# Allegro board trx_layout.brd (continued)
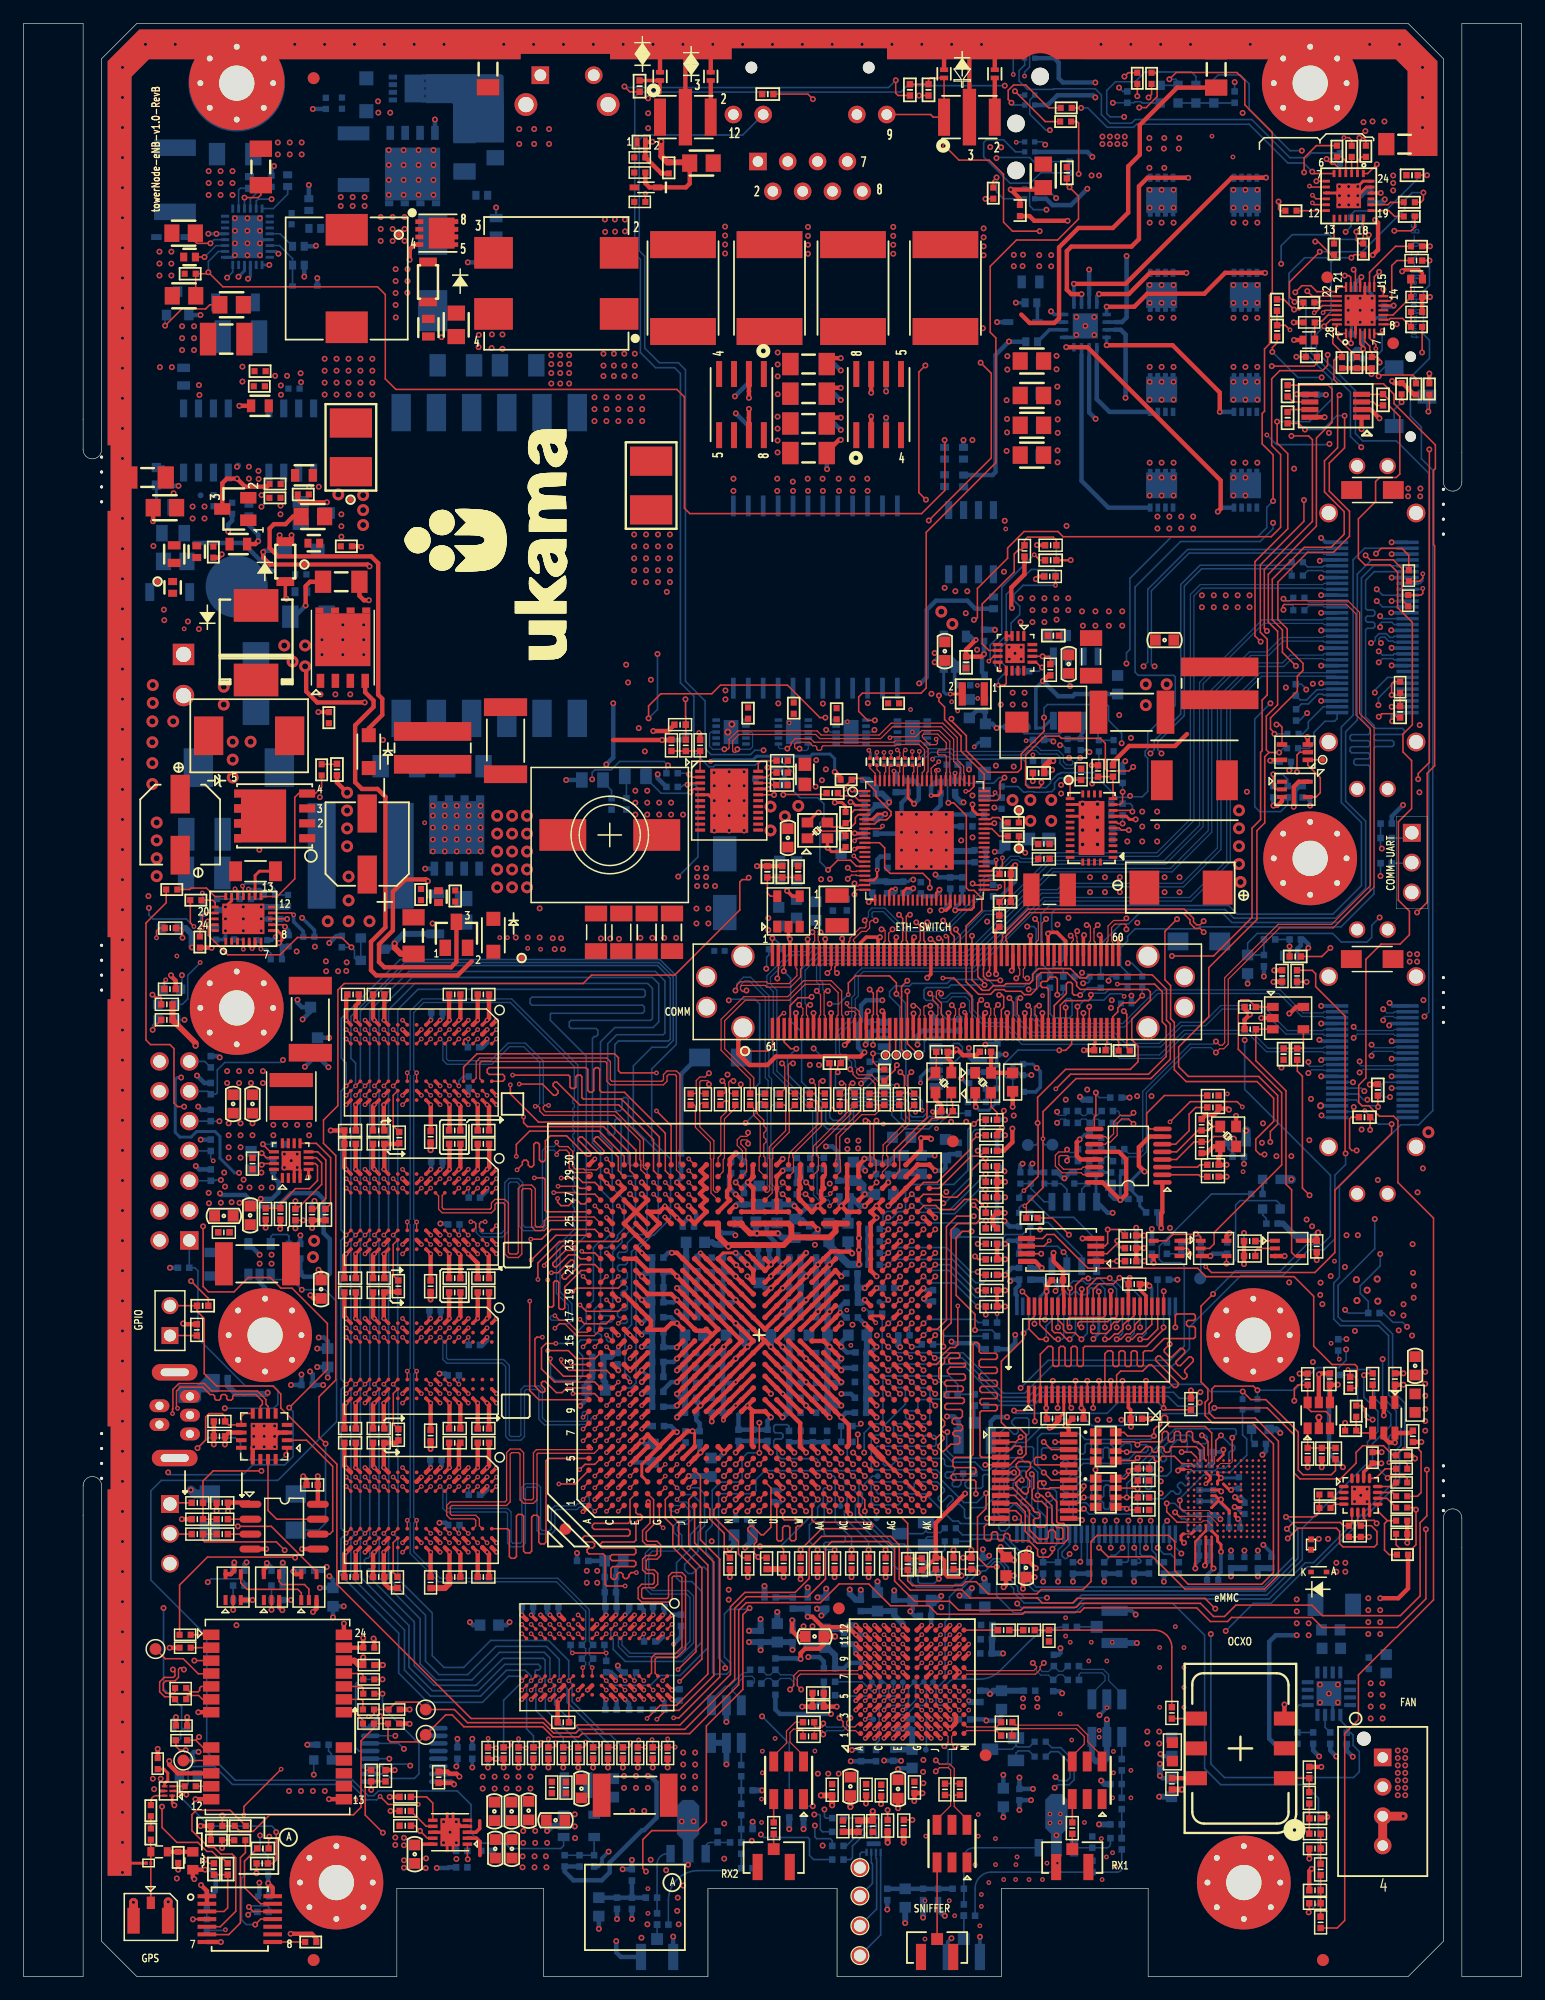
[diagram p0: board, top side]
## Routing (per net, layer and track width the routed paths; a pad name or vN(x,y) marks a point on that pad's centre or on a via; arc(x,y) is an arc through that point) (continued)
  BOTTOM w0.132: v1(115.45,112.83) 115.76,112.52 116.67,112.52 116.76,112.61 J13.20
USB_5V: length 10.8
  TOP w0.381: U26.10 17.5,46.32 C123.2 17.17,45.32 v1(17.16,45.3) ; U31.8 C129.2 v1(25.07,42.6)
  BOTTOM w0.381: v1(23.68,51.26) R411.1 v1(22.79,50.37)
  BOTTOM w0.508: R409.1 17.4,50.31 18.1,49.61 20.7,49.61 v1(20.8,49.71)
USB_DN0: length 61.8
  TOP w0.132: v1(76.99,89.76) 76.83,89.76 76.7,89.63 76.7,88.21 76.8,88.12 J4.27
  L6-SIGNAL w0.117: v1(114.79,113.54) 115.04,113.54 115.15,113.66 115.15,114.04 114.87,114.33 113.23,114.33 112.54,114.33 111.72,114.33 111.27,113.88 111.1,113.71 106.84,113.71 106.02,112.89 95.06,112.89 94.4,112.23 93.6,112.23 90.33,108.96 90.33,108.67 86.06,104.41 85.08,104.41 83.71,103.04 83.71,102.9 82.21,101.41 82.21,101.1 82.21,98.99 80.39,97.17 79.69,97.17 79.17,96.65 77.41,96.65 76.83,96.07 76.83,94.23 76.69,94.08 76.69,90.04 76.78,89.95 76.78,89.94 76.95,89.76 v1(76.99,89.76)
  BOTTOM w0.132: v1(114.79,113.54) 114.93,113.54 115.16,113.76 115.16,114.03 115.47,114.34 116.09,114.34 116.41,114.02 116.67,114.02 116.76,114.11 J13.17
USB_DN2: length 70.8
  TOP w0.132: v1(100.53,88.93) 100.22,89.24 99.78,89.24 99.71,89.31 99.71,89.33 99.36,89.68 99.36,89.97 98.75,90.58 85.71,90.58 83.69,88.57 83.69,88.21 83.79,88.12 J4.41
  L6-SIGNAL w0.117: v1(96.94,104.14) 96.62,103.82 96.62,102.56 95.97,101.91 93.97,101.91 93.09,101.02 93.09,95.33 95.3,93.12 100.3,93.12 101.55,91.87 101.55,89.54 101.25,89.24 100.85,89.24 v1(100.53,88.93)
  BOTTOM w0.132: R3.1 108.03,119.73 107.9,119.86 100.36,119.86 98.89,118.39 98.89,107.36 96.62,105.1 96.62,104.46 v1(96.94,104.14)
USB_DP0: length 61.8
  TOP w0.132: v1(76.05,89.76) 76.4,89.42 76.4,88.21 76.3,88.12 J4.26
  L6-SIGNAL w0.117: v1(76.05,89.76) 76.39,90.09 76.39,94.21 76.53,94.35 76.53,96.2 77.28,96.95 79.04,96.95 79.57,97.48 80.26,97.48 81.9,99.12 81.9,100.97 81.9,101.53 83.4,103.03 83.4,103.16 84.95,104.71 85.94,104.71 90.02,108.8 90.02,109.09 93.48,112.54 94.27,112.54 94.93,113.2 105.89,113.2 106.71,114.02 110.97,114.02 111.32,114.36 111.59,114.63 112.54,114.63 113.23,114.63 114.99,114.63 115.46,114.17 115.46,113.72 v1(115.64,113.54)
  BOTTOM w0.132: v1(115.64,113.54) 115.46,113.71 115.46,113.9 115.59,114.03 115.96,114.03 116.28,113.71 116.67,113.71 116.76,113.61 J13.18
USB_DP2: length 70.9
  TOP w0.132: J4.40 83.3,88.12 83.39,88.21 83.39,88.7 85.58,90.89 98.87,90.89 99.67,90.09 99.67,89.81 99.93,89.55 100.22,89.55 v1(100.53,89.86)
  L6-SIGNAL w0.117: v1(96,104.14) 96.32,103.82 96.32,102.69 95.84,102.21 93.85,102.21 92.79,101.15 92.79,95.2 95.17,92.81 100.18,92.81 101.24,91.75 101.24,89.66 101.13,89.55 100.85,89.55 v1(100.53,89.86)
  BOTTOM w0.132: R2.1 107.78,120.17 100.23,120.17 98.58,118.51 98.58,107.49 96.32,105.22 96.32,104.46 v1(96,104.14)
USB_RXD: length 11.7
  TOP w0.137: U31.6 26.09,37.67 26.34,37.92 26.34,43.43 24.11,45.67 U26.2
USB_TXD: length 8.9
  TOP w0.137: U26.15 20.83,39.68 21.57,38.94 U31.7
USB_XI: length 11.1
  TOP w0.137: C62.1 77.75,77.03 Y2.3 76.96,76.24 76.96,73.14 74.17,70.35 U1.AG30
USB_XO: length 9.9
  TOP w0.137: U1.AG29 74.64,68.59 74.64,70.31 77.4,73.07 77.62,73.07 78.31,73.07 78.31,73.07 78.55,73.07 C79.1 79.15,74.4 79.04,74.51 Y2.1
VBCKUP: length 2.5
  TOP w0.508: v1(28.94,27.18) C143.2 28.58,26.52 28.2,26.9 U37.22
  vias: v1(60.07,32.93) v1(60.07,32.09) v1(110.34,37.26) v1(111.13,37.26)
VDS_FREE: length 0.4
  BOTTOM w0.381: 36.73,97.83 v1(36.91,97.83) 37.08,97.83
  vias: v1(34.87,99.68) v1(34.87,98.85) v1(34.87,97.83) v1(34.87,96.81) v1(34.87,95.8) v1(35.89,99.68) v1(35.89,98.85) v1(35.89,97.83) v1(35.89,96.81) v1(35.89,95.8) v1(36.91,99.68) v1(36.91,98.85) v1(36.91,96.81) v1(36.91,95.8) v1(37.92,99.68) v1(37.92,98.85) v1(37.92,97.83) v1(37.92,96.81) v1(37.92,95.8) v1(38.94,99.68) v1(38.94,98.85) v1(38.94,97.83) v1(38.94,96.81) v1(38.94,95.8)
VDS_FWD:
  vias: v1(25.42,113.82) v1(25.42,112.55) v1(27.2,115.09) v1(27.2,113.82) v1(27.2,112.55) v1(28.98,115.09) v1(28.98,113.82) v1(28.98,112.55)
VDS_PRI:
  vias: v1(31.12,155.51) v1(31.12,154.24) v1(31.12,152.97) v1(31.12,151.7) v1(32.39,155.51) v1(32.39,154.24) v1(32.39,152.97) v1(32.39,151.7) v1(33.66,155.51) v1(33.66,154.24) v1(33.66,152.97) v1(33.66,151.7) v1(34.92,155.51) v1(34.92,154.24) v1(34.92,152.97) v1(34.92,151.7) v1(44.96,138.05) v1(44.96,137.29) v1(44.96,136.53) v1(44.96,135.64) v1(45.72,138.05) v1(45.72,137.29) v1(45.72,136.53) v1(45.72,135.64) v1(46.48,138.05) v1(46.48,137.29) v1(46.48,136.53) v1(46.48,135.64)
VGS_FREE: length 53.1
  TOP w0.381: v1(29.48,120.06) 29.32,120.22 UNK02.1 21.01,120.22 20.42,120.81 v1(20.42,121.29)
  L5-PWR2 w0.381: v1(20.42,121.29) 20.42,121.47 20.8,121.85 20.8,122.38 20.32,122.87 18.39,122.87 17.32,121.8 v1(11.07,121.8)
  L6-SIGNAL w0.381: v1(34.22,94.33) 34.22,94.62 29.35,99.5 29.35,107.24 28.44,108.14 28.44,109.13 30,110.68 30,117.49 29.48,118.01 v1(29.48,120.06)
  BOTTOM w0.381: D21.2 20.54,121.4 v1(20.42,121.29) ; Q30.4 v1(34.22,94.33)
VGS_FWD: length 37.2
  TOP w0.381: Q11.4 29.11,109.35 29.82,108.64 29.82,108.1 28.25,106.53 28.25,101.69 28.82,101.12 30.16,101.12 30.83,100.44 30.83,89.33 29.6,88.11 29.6,85.69 30.05,85.24 36.98,85.24 38.18,86.44
  vias: v1(41.94,88.47) v1(42.95,88.47) v1(43.97,88.47) v2(40.57,88.46) v2(41.22,88.46) v2(42.95,87.54) v2(44.05,87.47)
VHDMI_EN_N: length 56.4
  TOP w0.137: J4.100 83.3,82.31 83.5,82.51 83.5,83.43 83.33,83.6 83.33,83.6 83.14,83.6 v1(83.11,83.57)
  L3-SIGNAL w0.127: v1(110.57,73.32) 110.35,73.32 106.28,77.39 106.12,77.39 105.99,77.39 90.64,77.39 88.62,79.41 82.63,79.41 82.12,78.9 81.35,78.9 80.06,80.18 77.4,80.18 76.22,81.36 75.72,81.36 75.19,81.89 75.19,82.93 76.3,84.05 76.3,85.34 76.76,85.81 79.85,85.81 82.06,83.6 83.33,83.6 83.33,83.6 83.14,83.6 v1(83.11,83.57)
  BOTTOM w0.137: v1(110.57,73.32) 110.75,73.14 J16.40
VPORTN: length 1.1
  BOTTOM w0.305: v1(89.69,139.78) 89.48,139.56 U46.9
  vias: v1(49.41,138.18) v1(49.41,137.16) v1(49.41,136.27) v1(50.29,138.18) v1(50.29,137.16) v1(50.29,136.27) v1(51.18,138.18) v1(51.18,137.16) v1(51.18,136.27) v1(52.07,138.18) v1(52.07,137.16) v1(52.07,136.27) v1(64.24,132.82) v1(64.24,131.8) v1(64.24,130.78) v1(64.24,129.77) v1(86.53,146.57) v1(86.53,145.62) v1(87.54,146.57) v1(87.54,145.62) v1(89.69,141.3) v1(90.45,140.54) v1(91.22,141.3) v1(91.22,139.78) v1(95.88,155.64) v1(95.91,156.54) v1(95.91,154) v1(96.6,124.31) v1(96.6,123.29) v1(97.18,156.54) v1(97.15,155.64) v1(97.18,154) v1(97.61,124.31) v1(97.61,123.29) v1(98.45,156.54) v1(98.42,155.64) v1(98.63,124.31) v1(98.63,123.29) v1(99.64,124.31) v1(99.64,123.29)
VPORTP: length 18.8
  BOTTOM w0.305: v1(84.53,142.52) 84.54,142.51 R265.1 ; U46.12 87.8,141.51 v1(87.53,141.78)
  BOTTOM w0.381: v1(82.93,140.86) 82.93,140.87 D20.1 ; R267.2 83.97,139.19 v1(83.95,139.21) 82.8,138.07 82.8,128.09 82.55,127.84 R278.2
  vias: v1(49.53,149.61) v1(49.55,148.55) v1(50.38,149.61) v1(50.39,148.57) v1(51.24,149.59) v1(51.24,148.59) v1(64.25,138.28) v1(64.25,137.26) v1(64.25,136.25) v1(64.25,134.72) v1(84.36,146.59) v1(84.36,145.62) v1(85.14,146.6) v1(85.11,145.63) v1(95.94,144.03) v1(95.94,142.5) v1(95.94,141.23) v1(95.94,137.05) v1(95.94,135.78) v1(95.94,134.26) v1(96.95,144.03) v1(96.95,142.5) v1(96.95,141.23) v1(96.95,137.05) v1(96.95,135.78) v1(96.95,134.26) v1(97.97,144.03) v1(97.97,142.5) v1(97.97,141.23) v1(97.97,137.05) v1(97.97,135.78) v1(97.97,134.26) v1(103.07,144.03) v1(103.07,142.5) v1(103.07,141.23) v1(103.07,137.05) v1(103.07,135.78) v1(103.07,134.26) v1(104.09,144.03) v1(104.09,142.5) v1(104.09,141.23) v1(104.09,137.05) v1(104.09,135.78) v1(104.09,134.26) v1(105.11,144.03) v1(105.11,142.5) v1(105.11,141.23) v1(105.11,137.05) v1(105.11,135.78) v1(105.11,134.26)
XTAL_IN: length 4.2
  TOP w0.137: U243.5 70.79,99.33 70.52,99.06 70.52,98.57 70.15,98.2 C616.1 69.7,97.88 68.86,97.88 Y4.3
XTAL_OUT: length 6.5
  TOP w0.137: C617.1 70.03,97.14 ; 70.03,97.14 69.64,97.53 67.4,97.53 Y4.1 ; 70.03,97.14 70.03,97.39 70.86,98.22 70.86,98.68 71.11,98.93 U243.6
N377045: length 11.4
  TOP w0.107: v1(65.3,24.44) 65.62,24.76 65.62,24.86 65.62,25.62 66.05,26.05 71.06,26.05 U3.A8
  BOTTOM w0.107: v1(65.3,24.44) 65.59,24.72 65.59,25.1 65.31,25.38 64.49,25.38 L37.1 63.62,25.38 63.29,25.38 C427.2
N377347: length 11.5
  TOP w0.107: U3.A7 71.06,25.74 66.18,25.74 65.93,25.49 65.93,24.99 65.93,24.99 65.93,24.76 v1(66.24,24.44)
  BOTTOM w0.107: C425.2 63.29,25.69 63.62,25.69 L35.1 64.49,25.69 65.43,25.69 65.89,25.23 65.89,24.79 v1(66.24,24.44)
N377425: length 3.4
  TOP w0.107: U3.M2 80.36,21.25 82.87,21.25 C146.2
N377445: length 11.1
  TOP w0.107: v1(85.98,26.7) 86.3,26.38 86.3,26.27 86.08,26.05 80.36,26.05 U3.M8
  BOTTOM w0.107: C426.2 88.52,25.69 88.15,25.69 L36.1 87.31,25.67 86.65,25.67 86.3,26.02 86.3,26.38 v1(85.98,26.7)
N377469: length 11.1
  TOP w0.107: U3.M7 80.36,25.74 86.2,25.74 86.6,26.14 86.6,26.38 v1(86.92,26.7)
  BOTTOM w0.107: v1(86.92,26.7) 86.6,26.38 86.6,26.14 86.77,25.97 87.31,25.97 L34.1 87.77,26.43 88.2,25.99 88.52,25.99 C422.2
N377587: length 2.9
  TOP w0.137: U3.M12 C140.2
N377631: length 3.5
  TOP w0.107: C149.2 82.85,20.94 80.36,20.94 U3.M1
N377739: length 4.1
  TOP w0.137: U3.C5 v2(72.5,23.48)
  BOTTOM w0.137: v2(72.5,23.48) 72.11,23.88 69.21,23.88 69.21,23.88 R445.1
N377759: length 4.3
  TOP w0.137: U3.C6 v2(72.5,24.28)
  BOTTOM w0.137: v2(72.5,24.28) 72.26,24.28 71.45,25.1 R444.1
N377819: length 30.6
  TOP w0.137: U3.L4 v2(79.72,22.68) ; R235.2 v1(75.72,13.34)
  L3-SIGNAL w0.127: v2(79.72,22.68) 80.12,23.08 83.32,23.08 84.55,24.31 86.62,24.31 86.92,24 86.92,14.63 85.4,13.11 75.95,13.11 v1(75.72,13.34)
N377823: length 7.6
  TOP w0.107: C162.2 79.39,16.42 79.28,16.52 79.28,17.71 78.91,18.09 78.03,18.09 v1(77.72,18.41) ; U3.K1 78.76,20.45 78.76,19.93 v1(78.44,19.61)
  BOTTOM w0.107: v1(77.72,18.41) 78.03,18.09 78.59,18.09 78.76,18.27 78.76,19.29 v1(78.44,19.61)
N377835: length 7.6
  TOP w0.107: U3.L1 79.07,20.45 79.07,19.93 v1(79.38,19.61) ; v1(77.72,17.47) 78.03,17.79 78.78,17.79 78.98,17.59 78.98,16.52 78.87,16.42 C161.2
  BOTTOM w0.107: v1(77.72,17.47) 78.03,17.79 78.71,17.79 79.07,18.14 79.07,19.29 v1(79.38,19.61)
N378105: length 13.2
  TOP w0.137: U3.J6 v2(78.12,24.28)
  BOTTOM w0.137: R439.2 88.78,29.77 arc(87.06,29.43) 85.6,28.45 83.2,26.05 arc(82.39,25.51) 81.44,25.32 79.34,25.32 arc(79.11,25.28) 78.92,25.15 78.17,24.4 arc(78.13,24.35) v2(78.12,24.28)
N378375: length 1.3
  TOP w0.137: U3.E6 v2(74.1,24.28)
  BOTTOM w0.137: TP44.1 74.1,24.29 v2(74.1,24.28)
N378383: length 3.3
  TOP w0.137: U3.E5 v2(74.1,23.48)
  BOTTOM w0.137: TP42.1 72.66,24.68 72.66,24.68 72.89,24.45 72.89,24.45 72.9,24.44 72.9,24.06 73.07,23.89 73.45,23.89 73.82,23.52 74.06,23.52 v2(74.1,23.48)
N378391: length 6
  TOP w0.137: U3.E4 v2(74.1,22.68)
  BOTTOM w0.137: v2(74.1,22.68) 74.49,22.29 75.22,22.29 75.28,22.35 76.01,23.08 76.71,23.08 76.91,23.29 76.91,23.32 76.92,23.32 76.92,24.5 TP38.1
N378587: length 5
  TOP w0.137: U3.D4 v2(73.3,22.68)
  BOTTOM w0.137: TP40.1 75.39,24.57 75.39,23.39 75.07,23.08 73.53,23.08 73.3,22.85 v2(73.3,22.68)
N378731: length 5.1
  TOP w0.137: U3.D5 v2(73.3,23.48)
  BOTTOM w0.137: v2(73.3,23.48) 72.89,23.08 72.89,20.12 72.62,19.85 R465.1
N378743: length 14.2
  TOP w0.137: U3.D6 v2(73.3,24.28)
  L3-SIGNAL w0.127: v1(70.57,19.29) 68.56,19.29 67.42,20.42 67.42,22.84 69.27,24.69 72.9,24.69 v2(73.3,24.28)
  BOTTOM w0.152: R466.1 70.58,19.29 v1(70.57,19.29)
N379365: length 18.5
  TOP w0.137: U3.B5 v2(71.7,23.48)
  L3-SIGNAL w0.127: v1(67.41,12.85) 68.51,12.85 69.33,13.68 69.33,16.32 70.23,17.22 71.2,17.22 72.9,18.92 72.9,22.83 72.64,23.09 72.1,23.09 v2(71.7,23.48)
  BOTTOM w0.137: R472.1 68.89,11.58 68.74,11.73 67.57,11.73 67.41,11.89 v1(67.41,12.85)
N379519: length 35.1
  TOP w0.137: R234.1 v1(73.61,14.17) ; U3.L5 v2(79.72,23.48)
  L3-SIGNAL w0.127: v1(73.61,14.17) 73.61,13.31 74.17,12.75 85.56,12.75 87.25,14.44 87.25,24.14 86.75,24.64 84.41,24.64 83.19,23.41 81.32,23.41 80.86,23.87 80.1,23.87 v2(79.72,23.48)
N379621: length 1.2
  TOP w0.137: C140.1 R201.2
N395134:
  vias: v1(59.77,149) v1(59.77,148.23) v1(59.77,147.47) v1(59.77,146.71)
N395210: length 3.1
  TOP w0.381: C3.2 D4.1
N395242:
  vias: v1(71.92,108.42)
N395246:
  vias: v1(59.79,109.5) v1(59.79,108.74)
N395250: length 32.5
  TOP w0.381: C2.1 98.27,160.83 95.09,157.65 95.09,155.11 94.1,154.13 94.1,150.19 92.8,148.88 89.86,148.88 88.22,147.24 88.22,141.2 87.81,140.79 85.71,140.79 85,141.51
N395254:
  vias: v1(88,137.99) v1(88,136.85)
N395258:
  vias: v1(88.07,135.37) v1(88.12,134.02)
N395262:
  vias: v1(88.09,129.94) v1(88.09,128.92)
N395266:
  vias: v1(88.1,132.58) v1(88.1,131.44)
N395314:
  vias: v1(81.79,148.84) v1(81.79,148.08) v1(81.79,147.32) v1(81.79,146.56)
N395386:
  vias: v1(74.09,148.97) v1(74.09,148.21) v1(74.09,147.45) v1(74.09,146.69)
N395402:
  vias: v1(66.83,148.97) v1(66.83,148.21) v1(66.83,147.45) v1(66.83,146.69)
N395410:
  vias: v1(69.44,127.53) v1(69.47,126.49)
N395498: length 123.9
  TOP w0.305: 54.22,160.39 D3.1 R715.2
  L6-SIGNAL w0.127: v2(73.96,73.8) 73.56,74.2 65.42,74.2 63.26,76.36 63.26,85.13 62.68,85.71 62.68,90.54 63.3,91.16 63.3,95.42 62.1,96.62 62.1,103.47 v1(63.04,104.41)
  BOTTOM w0.137: R713.1 78.89,73.5 77.98,72.59 77.53,72.58 77.12,72.17 75.12,72.17 73.96,73.34 v2(73.96,73.8) ; J12.11 61.27,156.79 52.86,156.79 52.45,156.39 52.45,146.94 52.92,146.47 52.92,138.65 54.16,137.41 55.78,137.41 56.39,136.8 56.39,110.28 58.06,108.61 58.06,104.55 58.57,104.04 61.93,104.04 62.3,104.41 v1(63.04,104.41)
  vias: v1(53.21,159.92) v1(53.21,158.65) v1(53.21,157.38)
N395506: length 3.3
  TOP w0.381: C4.2 D2.1
  vias: v1(82.36,155.77) v1(83.28,155.74)
N395518: length 11.7
  TOP w0.137: R711.2 R710.1 77.09,161.48 77.27,161.65 D1.1 C4.1 77.5,158.32 77.28,158.54 J12.9
N395776: length 7.5
  L6-SIGNAL w0.381: v1(73.48,134.96) 71.68,136.75 v1(69.62,136.75)
  BOTTOM w0.381: R269.2 69.08,137.3 v1(69.62,136.75) ; U47.7 73.48,135.02 73.48,135.02 v1(73.48,134.96)
N395780:
  vias: v1(65.53,127.28) v1(65.56,126.49)
N395784:
  vias: v1(66.8,127.53) v1(66.83,126.49)
N395792:
  vias: v1(70.61,127.53) v1(70.64,126.49)
N395816: length 11.4
  L6-SIGNAL w0.381: v1(73.48,132.72) 73.48,129.92 71.91,128.35 v1(68.45,128.35)
  BOTTOM w0.381: v1(68.45,128.35) 68.43,128.37 R276.1 ; v1(73.48,132.72) 73.48,132.66 73.48,132.66 U47.2
N397214: length 13.8
  L6-SIGNAL w0.381: v1(69.62,134.23) 68.32,135.53 61.59,135.53 v1(60.6,134.54)
  BOTTOM w0.381: v1(69.62,134.23) 69.08,134.77 R272.2 ; v1(60.6,134.54) 61.8,135.74 U48.7
N397226: length 19.4
  L6-SIGNAL w0.381: v1(60.68,133.1) 60.68,130.33 62,129.01 69.47,129.01 70.33,129.87 70.33,131.31 69.95,131.69 v1(69.62,131.69)
  BOTTOM w0.381: U48.2 61.8,131.98 v1(60.68,133.1) ; R274.1 69.08,132.23 v1(69.62,131.69)
N399906: length 3.9
  BOTTOM w0.305: R265.2 86.37,142.46 D20.2 86.37,140.86 U46.11
N400318: length 2.7
  BOTTOM w0.305: U46.10 87.4,140.21 R267.1
N436789: length 8.6
  TOP w0.381: U3.A11 v2(70.9,29.11) 70.26,29.74 68.78,29.74 68.77,29.76 68.08,29.76 67.21,30.63 v1(66.8,30.63) ; U3.B11 v2(71.7,29.11)
  BOTTOM w0.381: v2(71.7,29.11) v2(70.9,29.11)
  BOTTOM w0.508: v1(66.8,30.63) C399.2 R438.1
N436822: length 1.5
  BOTTOM w0.381: C395.1 R438.2
N440605: length 13.2
  TOP w0.137: U3.B4 v2(71.7,22.68)
  L3-SIGNAL w0.127: v2(71.7,22.68) 72.11,22.28 72.11,18.79 71.07,17.75 69.27,17.75 69,17.49 69,15.87 68.31,15.18 68.31,14.31 v1(68.23,14.22)
  BOTTOM w0.137: R470.1 68.35,13.49 68.23,13.61 v1(68.23,14.22)
N440917: length 17.7
  TOP w0.137: U3.B6 v2(71.7,24.29)
  L3-SIGNAL w0.127: v2(71.7,24.29) 71.28,23.87 71.28,19.21 70.87,18.8 68.23,18.8 67.19,17.75 67.19,15.29 67.74,14.73 67.74,14.17 v1(67.36,13.79)
  BOTTOM w0.137: R471.1 68.07,12.32 67.87,12.52 67.87,13.72 67.8,13.79 v1(67.36,13.79)
N441229: length 31.1
  TOP w0.381: U3.B7 v2(71.7,25.91)
  L3-SIGNAL w0.127: v2(71.7,25.91) 68.73,25.91 66.73,23.9 63.68,23.9 61.16,21.38 61.16,13.19 62.27,12.09 v1(62.81,12.09)
  BOTTOM w0.137: v1(62.81,12.09) 63.07,11.84 66.82,11.84 66.96,11.7 66.96,10.31 67.31,9.96 R473.1
N450143: length 1.3
  TOP w0.137: U3.F6 v2(74.9,24.28)
  BOTTOM w0.137: TP43.1 74.9,24.29 v2(74.9,24.28)
N450443: length 3.4
  TOP w0.137: U3.F5 v2(74.9,23.48)
  BOTTOM w0.137: TP41.1 73.34,25.06 73.69,24.71 73.69,24.12 73.94,23.88 74.26,23.88 74.26,23.88 74.51,23.88 v2(74.9,23.48)
N450447: length 3.9
  TOP w0.137: U3.F4 v2(74.9,22.68)
  BOTTOM w0.137: v2(74.9,22.68) 75.16,22.68 76,23.52 76,24.49 76.59,25.08 TP39.1
N470883: length 1.3
  TOP w0.508: C172.1 R237.2
N470887: length 3.2
  TOP w0.381: U3.G2 v2(76.52,21.08) ; U3.G3 v2(76.52,21.88)
  TOP w0.508: v1(72.34,14.07) C171.1 R237.1
N497620: length 9.5
  TOP w0.107: U40.4 89.34,18.78 90.36,19.8 90.36,20.43 89.69,21.1 84.35,21.1 84.18,20.93 84.18,20.57 C149.1
N497678: length 9.6
  TOP w0.107: U40.6 91.88,18.77 90.67,19.98 90.67,20.55 89.82,21.4 84.5,21.4 C146.1
N506018: length 3.4
  TOP w0.107: C161.1 78.87,15.45 78.98,15.35 78.98,14.54 77.83,13.39 U43.4
N506026: length 3.4
  TOP w0.107: C162.1 79.39,15.45 79.28,15.35 79.28,14.48 80.37,13.4 U43.6
N538044: length 5.4
  BOTTOM w0.107: U66.4 93.56,24.08 92.44,25.2 92.44,25.71 91.99,26.15 90.19,26.15 C422.1
N538079: length 5.3
  BOTTOM w0.107: C426.1 89.91,25.72 90.05,25.85 91.86,25.85 92.13,25.58 92.13,25.2 91.02,24.08 U66.6
N541425: length 4.8
  BOTTOM w0.107: C425.1 61.64,25.87 61.28,25.87 60.12,24.7 59.77,24.7 58.61,23.54 U67.6
N541429: length 4.9
  BOTTOM w0.107: U67.4 61.15,23.56 60.36,24.36 60.36,24.51 61.41,25.56 62.07,25.56 62.27,25.36 62.27,25.05 62.16,24.95 C427.1
N635710: length 1.3
  TOP w0.137: U3.B3 v2(71.7,21.88)
  BOTTOM w0.137: v2(71.7,21.88) 71.71,21.89 TP45.1
N685064: length 25.2
  TOP w0.137: U3.G5 v2(76.52,23.48)
  L3-SIGNAL w0.127: v1(62.92,22.15) 64.31,23.55 66.98,23.55 68.91,25.48 73.46,25.48 74.48,24.45 74.48,24.02 74.64,23.87 75.06,23.87 75.44,23.48 v2(76.52,23.48)
  BOTTOM w0.137: v1(62.92,22.15) 65.23,19.84 R469.2
N685410: length 4.1
  TOP w0.137: U3.G4 v2(76.52,22.68)
  BOTTOM w0.137: v2(76.52,22.68) 76.91,22.29 76.91,22.05 76.92,22.05 76.92,21.72 76.91,21.72 76.91,21.25 76.92,21.25 76.92,20.92 76.91,20.92 76.91,20.45 76.92,20.45 76.92,19.36 TP46.1
N1145981:
  vias: v1(68.1,108.38)
N1145996:
  vias: v1(64.3,108.4)
N1148675: length 20.5
  TOP w0.381: U9.7 61.8,132.71 61.79,132.71 61.79,133.47 v1(61.8,133.48) ; R38.2 68.93,137.8 v1(69.62,137.8)
  L6-SIGNAL w0.381: v1(61.8,133.48) 61.44,133.83 60.4,133.83 59.69,134.54 59.69,138.05 60.58,138.94 68.48,138.94 v1(69.62,137.8)
N1148683: length 13
  TOP w0.381: v1(61.8,134.42) 61.8,134.98 61.8,134.98 U9.2 ; v1(69.62,130.84) 69.47,130.84 68.43,129.79 R49.1
  L6-SIGNAL w0.381: v1(69.62,130.84) 67.13,130.84 63.55,134.42 v1(61.8,134.42)
N1148871: length 5.8
  TOP w0.381: v1(69.62,135.27) 68.93,135.27 R42.2 ; U36.7 72.21,134.98 72.21,134.98 v1(72.21,134.85)
  L6-SIGNAL w0.381: v1(69.62,135.27) 71.79,135.27 v1(72.21,134.85)
N1148879: length 5.6
  TOP w0.381: U36.2 72.21,132.71 72.21,132.71 v1(72.21,132.83) ; v1(69.62,132.73) 68.93,132.73 R47.1
  L6-SIGNAL w0.381: v1(72.21,132.83) 72.11,132.73 v1(69.62,132.73)
N16778156: length 1.3
  BOTTOM w0.254: v1(19.13,144.55) 19.33,144.75 U45.25
  vias: v1(30.43,149.81) v1(30.43,148.79) v1(30.43,147.78) v1(31.45,149.81) v1(31.45,148.79) v1(31.45,147.78) v1(32.46,149.81) v1(32.46,148.79) v1(32.46,147.78)
N16853335: length 33.8
  TOP w0.381: v1(32.9,146.18) 32.9,147.07 33.3,147.47 Q6.4
  L6-SIGNAL w0.381: v1(18.31,144.73) 18.31,142.85 19.07,142.09 27.28,142.09 31.37,146.18 v1(32.9,146.18) 34.29,146.18 34.67,146.56 34.67,150.24 35.05,150.62 v1(40.26,150.62)
  BOTTOM w0.203: R258.1 v1(40.26,150.62)
  BOTTOM w0.254: v1(18.31,144.73) 18.83,145.24 U45.26
N16869121: length 23
  L6-SIGNAL w0.381: v1(17.35,144.65) 17.35,142.42 18.49,141.28 30.17,141.28 31.87,139.58 v1(35.61,139.58)
  BOTTOM w0.137: U45.28 17.83,145.13 v1(17.35,144.65)
N16912256: length 2.6
  BOTTOM w0.137: R252.2 18.46,152.26 18.33,152.12 U45.10
N16949910: length 3.6
  TOP w0.381: C63.1 U12.4 L9.1
N16950256: length 2.5
  TOP w0.137: U12.3 82.42,74.08 82.93,73.57 R124.1
N16950409: length 1.4
  TOP w0.137: U1.AH17 v1(75.67,56.61)
  BOTTOM w0.127: TP28.1 75.19,56.13 v1(75.67,56.61)
N16950424: length 1.4
  TOP w0.137: U1.AG18 v1(74.67,57.61)
  BOTTOM w0.127: TP26.1 74.66,57.61 v1(74.67,57.61)
N16950483: length 1.4
  TOP w0.137: U1.AH18 v1(75.67,57.61)
  BOTTOM w0.127: TP27.1 75.62,57.56 v1(75.67,57.61)
N16950542: length 1.4
  TOP w0.137: U1.AF16 v1(73.67,55.61)
  BOTTOM w0.137: TP29.1 74.12,56.06 v1(73.67,55.61)
N16958600: length 10.3
  TOP w0.137: v1(78.36,65.84) 78.36,65.86 78.11,66.11 U1.AK27
  BOTTOM w0.137: v1(78.36,65.84) 78.47,65.84 80.8,68.17 80.8,71.83 81.08,72.11 81.61,72.11 81.97,72.47 R330.1
N17011792: length 26.2
  TOP w0.508: 69.18,64.11 U1.AC25 ; 69.18,64.11 U1.AB25 U1.AA25 ; 69.18,64.11 69.18,63.45 68.67,62.94 65.41,62.94 ; 65.41,62.94 65.41,63.87 U1.V25 U1.U25 U1.T25 U1.R25 ; 65.41,62.94 64.75,62.28 61.5,62.28 60.17,62.28 v1(60.05,62.15) 59.17,63.03 U1.M25 U1.L25
  BOTTOM w0.381: v1(60.05,62.15) 60.25,62.36 62.19,62.36 C278.1 62.57,61.38 62.67,61.29 C293.1
  BOTTOM w0.508: L26.1 58.7,62.51 58.87,62.34 C274.1 59.87,62.34 v1(60.05,62.15)
N17013104: length 11.2
  TOP w0.381: U1.W25 U1.Y25 v1(67.67,63.61)
  TOP w0.508: v1(64.27,63.28) v1(62.48,63.28) 61.9,63.28 61.17,64 U1.P25 U1.N25
  BOTTOM w0.508: v1(67.67,63.61) 67.67,63.43 67.16,62.92 C271.1 C270.1 64.63,62.92 v1(64.27,63.28) ; v1(62.48,63.28) 62.39,63.37 L24.1
N17041994: length 6.6
  TOP w0.381: v1(60.67,65.61) 60.58,65.61 60.17,65.2 U1.N26 ; v1(65.67,65.61) U1.W26
  BOTTOM w0.508: v1(65.67,65.61) 65.54,65.74 L23.1 C262.1 C264.1 60.8,65.74 v1(60.67,65.61)
N17127103: length 1.8
  TOP w0.152: U1.P28 v1(60.67,67.61)
  BOTTOM w0.137: v1(60.67,67.61) 60.67,67.73 61.3,68.36 R343.2
N17127140: length 2.8
  TOP w0.381: U1.P27 60.68,66.6 v1(60.67,66.6)
  BOTTOM w0.381: v1(60.67,66.6) 60.1,67.17 60.1,68.22 R344.2
N17127277: length 9.2
  TOP w0.102: U1.M27 58.56,66.72 58.56,69.59 58.51,69.65
  TOP w0.107: C64.2 57.13,74.21 57.24,74.1 57.24,72.3 58.51,71.03 58.51,69.65
N17127320: length 9.2
  TOP w0.102: U1.M28 59.17,66.85 59.1,66.78 58.93,66.78 58.77,66.95 58.77,69.6 58.81,69.65
  TOP w0.107: 58.81,69.65 58.81,71.16 57.61,72.36 57.61,74.25 57.72,74.36 57.95,74.36 C65.2
N17127662: length 6.7
  TOP w0.107: U1.M29 59.61,68.55 59.61,69.57 59.71,69.67 59.71,73.02 60.31,73.62 60.64,73.95 C67.1
N17127699: length 6.6
  TOP w0.107: U1.M30 59.17,69.72 59.4,69.95 59.4,73.15 60.09,73.84 60.09,74.44 59.98,74.55 59.7,74.55 C66.1
N17247286: length 2.4
  TOP w0.137: R233.1 34.3,12.79 U42.7
N17247308: length 3.6
  TOP w0.137: C165.1 34.34,15.29 34.87,14.77 U42.6
N17255903: length 1.3
  TOP w0.137: v1(37.85,9.98) 37.81,10.02 U42.1
N17264878: length 5.3
  TOP w0.137: U1.L1 58.47,39.81 58.47,38.95 59.69,37.73 59.69,36.14 R189.2
N17264907: length 6.1
  TOP w0.137: R190.2 61.23,35.65 60.9,35.98 60.9,37.04 58.81,39.13 58.81,39.76 U1.M1
N17308586: length 1.4
  TOP w0.137: U1.AE28 v1(72.67,67.61)
  BOTTOM w0.137: v1(72.67,67.61) 72.63,67.66 R345.2
N17347925: length 2.5
  BOTTOM w0.137: U64.16 90.62,35.45 R431.1
N17347927: length 2.3
  BOTTOM w0.137: R390.1 96.62,59.32 U64.53
N17352153: length 19.4
  TOP w0.137: U22.1 85.62,48.52 85.28,48.18 v1(84.38,48.18) ; U22.24 v1(97.12,48.41) 97.27,48.25 R162.2
  BOTTOM w0.137: v1(97.12,48.41) 96.64,48.89 93.24,48.89 92.3,47.95 84.54,47.95 84.38,48.11 v1(84.38,48.18)
N17383137: length 1.4
  TOP w0.137: U1.AF11 v1(73.67,49.61)
  BOTTOM w0.137: TP31.1 v1(73.67,49.61)
N17412446: length 16.1
  TOP w0.137: v1(70.67,42.61) U1.AC4 ; v1(77.98,33.86) 77.98,33.89 77.7,34.16 R199.2
  BOTTOM w0.137: v1(70.67,42.61) 71.17,42.11 71.17,41.44 71.46,41.15 71.46,40.29 71.22,40.05 71.22,39.21 74.17,36.26 74.17,34.98 74.44,34.7 76.06,34.7 76.2,34.56 76.2,33.6 76.34,33.46 77.58,33.46 v1(77.98,33.86)
N17420989: length 6.1
  TOP w0.137: R127.2 81.92,70.31 81.47,69.86 80.73,69.86 77.98,67.11 U1.AK28
N17491181: length 10.6
  L6-SIGNAL w0.381: v1(15.08,141.47) 16.51,142.9 16.51,145.14 17.11,145.73 v1(20.94,145.73)
  BOTTOM w0.254: U45.23 v1(20.94,145.73)
  BOTTOM w0.381: Q23.1 v1(15.08,141.47)
N17613979: length 1.6
  TOP w0.137: U1.AF19 v1(73.67,57.61)
  BOTTOM w0.137: TP25.1 72.92,57.43 73.53,57.43 73.67,57.57 v1(73.67,57.61)
N18012236: length 3.4
  TOP w0.137: R27.2 14.64,147.71 14.78,147.57 v1(15.93,147.57)
  BOTTOM w0.137: v1(15.93,147.57) 16.23,147.88 U45.4
N18015217: length 2.9
  TOP w0.137: R29.2 v1(15.42,146.41)
  BOTTOM w0.137: U45.3 17.16,147.37 16.38,147.37 v1(15.42,146.41)
N18230147: length 13.9
  L3-SIGNAL w0.381: v1(24.92,147.37) 24.92,158.74 v1(24.65,159.01)
  BOTTOM w0.381: v1(24.92,147.37) 24.87,147.32 R262.1 ; C183.2 v1(24.65,159.01)
N18580909:
  vias: v1(21.43,136.29) v1(22.45,136.29)
N18585755: length 0
  TOP w0.381: 11.43,118.77 LIP2.1
N18621423: length 1.6
  BOTTOM w0.381: C197.1 17.78,123.97 17.43,123.63 v1(17.43,123.04)
N18663045: length 3.5
  TOP w0.381: v1(19.99,122.21) 19.8,122.01 19.78,122.01 19.73,121.96 C22.2
  BOTTOM w0.381: R280.2 19.2,123.58 20,122.78 20,122.24 19.99,122.23 v1(19.99,122.21)
